# KiCad board Wrap030-ITX.kicad_pcb (continued)
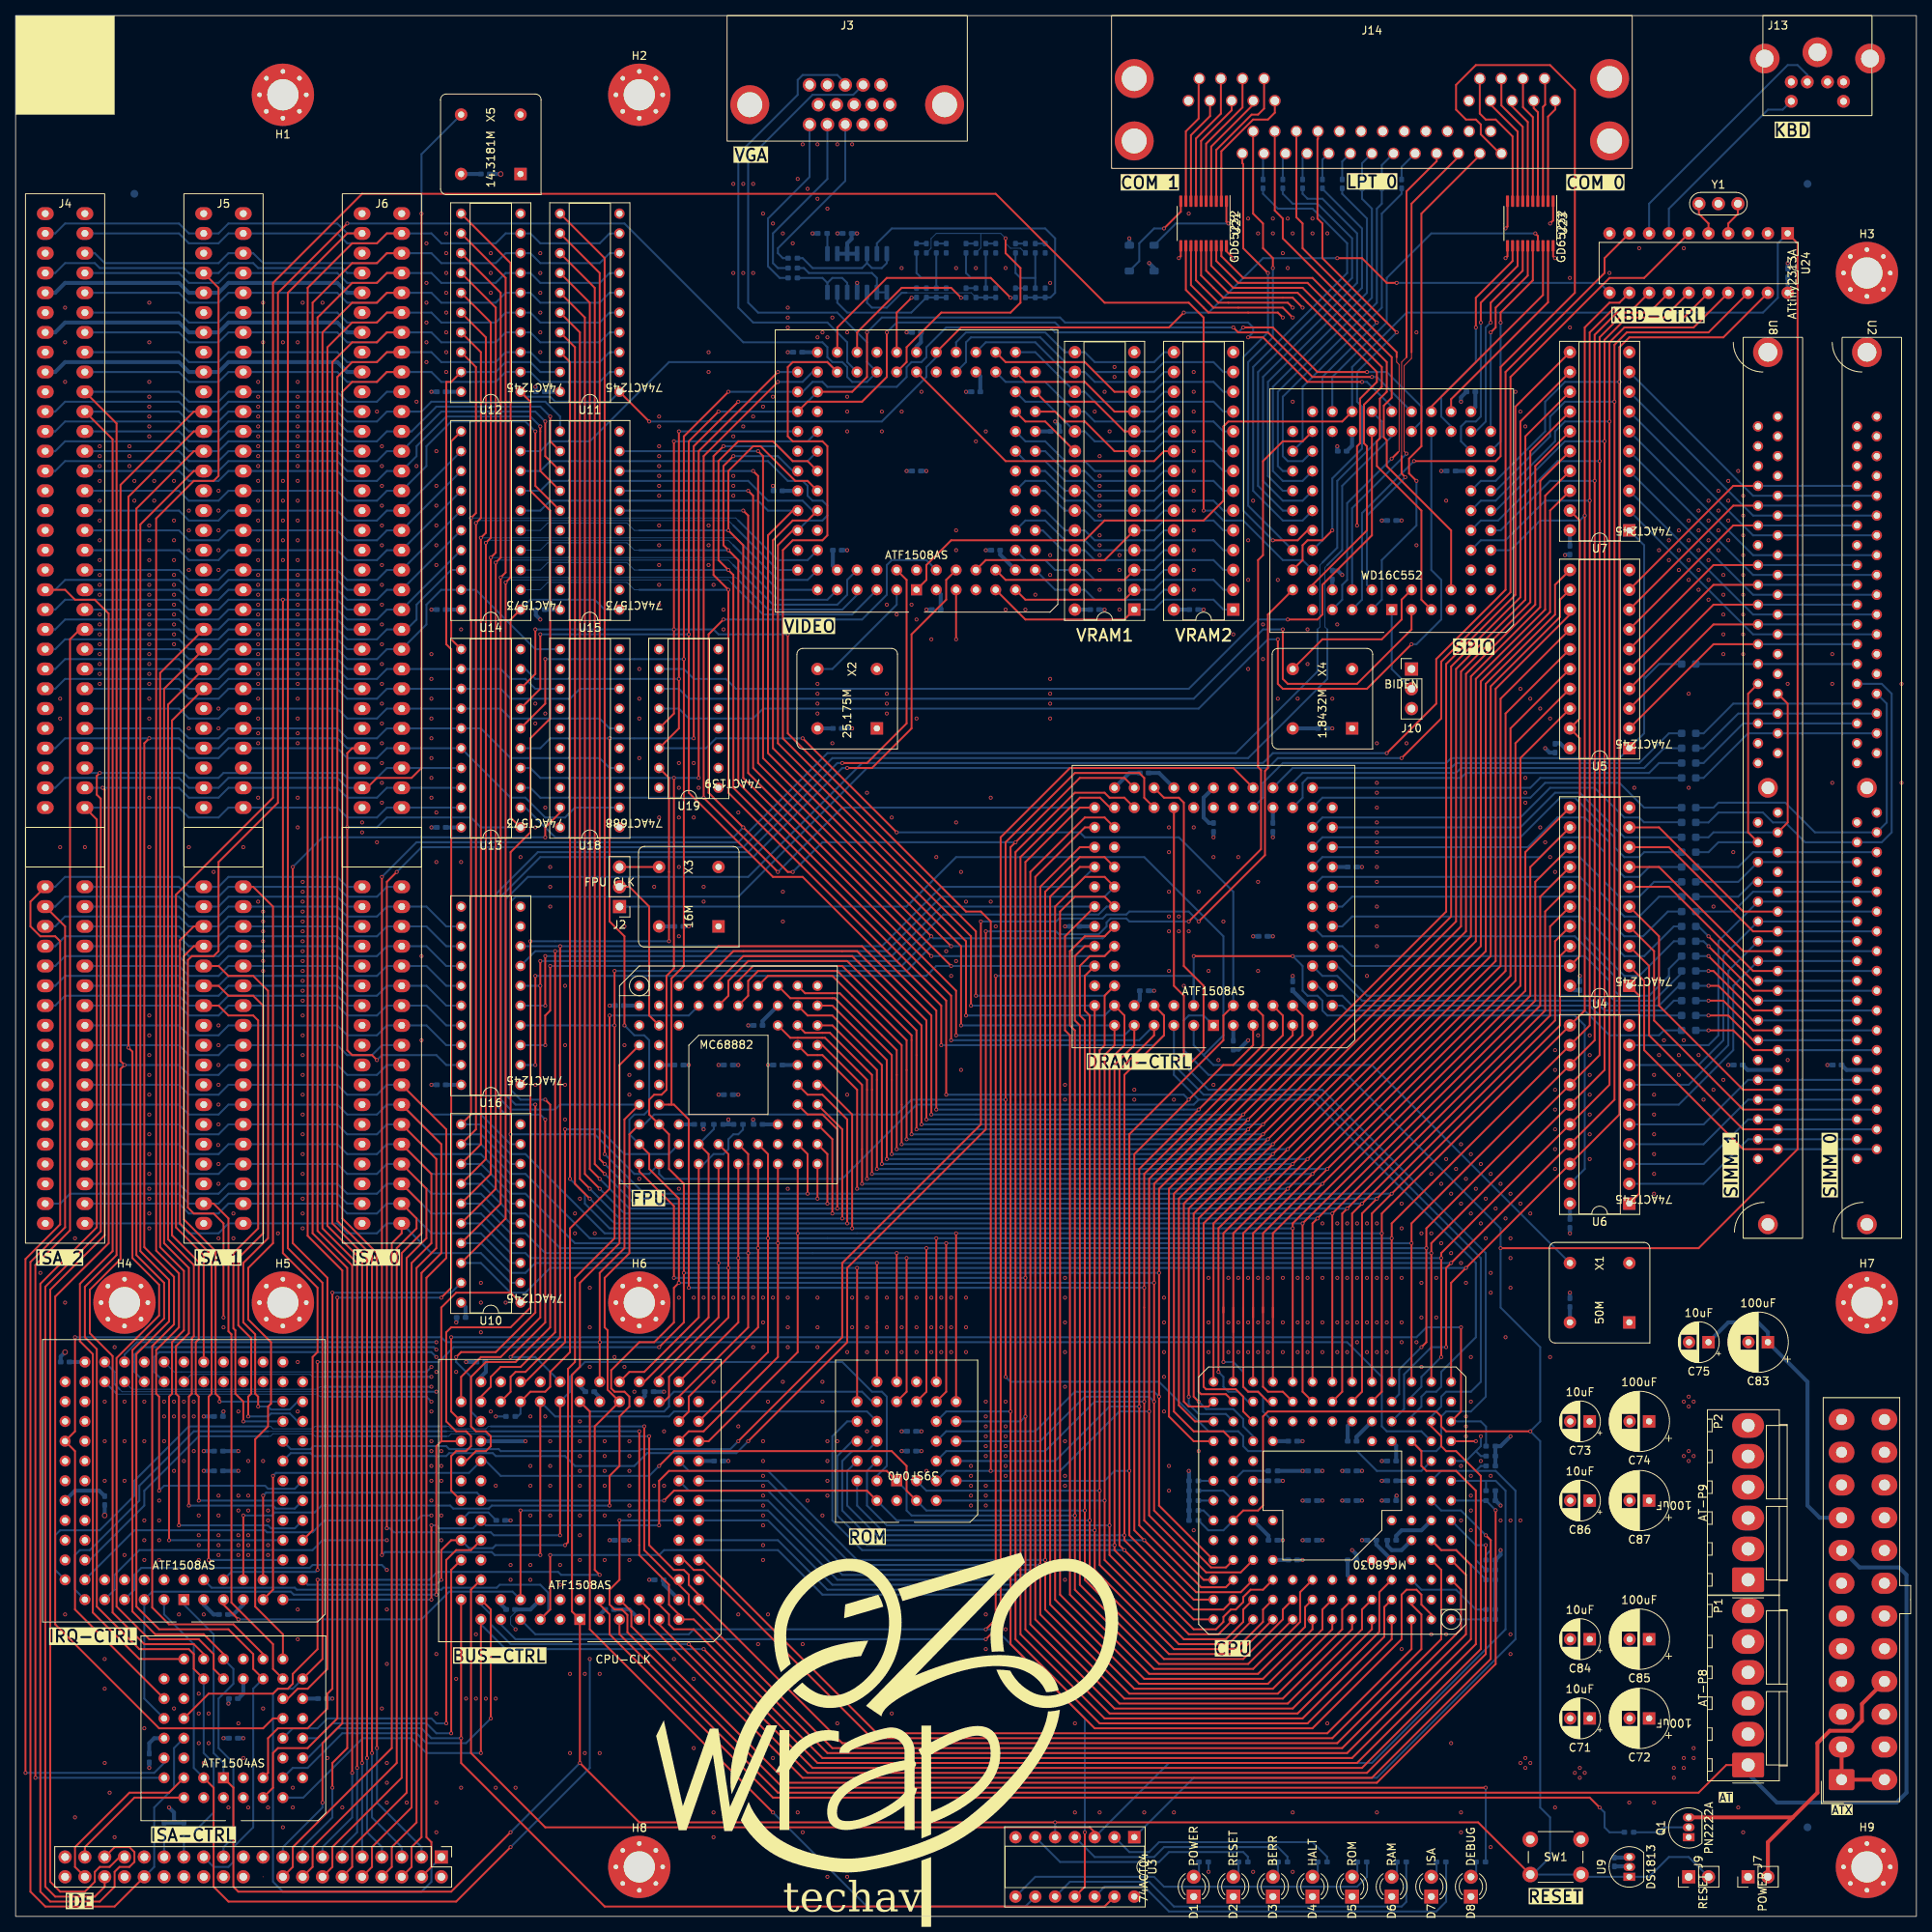
[diagram p0: board, top side]
## Routing (per net, layer and track width the routed paths; a pad name or vN(x,y) marks a point on that pad's centre or on a via; arc(x,y) is an arc through that point) (continued)
  vias: v1(3.17,82.55) v1(5.71,156.21) v1(5.71,153.67) v1(5.71,137.16) v1(6.35,206.38) v1(6.35,201.93) v1(6.35,196.85) v1(6.35,78.74) v1(6.35,38.74) v1(7.62,87) v1(7.62,12.7) v1(8.89,137.16) v1(10.8,188.6) v1(10.8,187.32) v1(10.8,186.06) v1(10.8,184.15) v1(10.8,181.61) v1(10.8,179.07) v1(10.8,176.53) v1(10.8,173.99) v1(10.8,172.09) v1(10.8,170.81) v1(10.8,169.55) v1(10.8,167) v1(10.8,165.74) v1(10.8,164.47) v1(10.8,163.19) v1(10.8,161.93) v1(10.8,160.66) v1(10.8,159.38) v1(10.8,158.12) v1(11.43,66.04) v1(11.43,60.96) v1(11.43,55.88) v1(11.43,33.02) v1(11.43,29.21) v1(11.43,19.69) v1(12.06,15.88) v1(12.7,73.03) v1(12.7,10.16) v1(13.97,66.04) v1(13.97,60.96) v1(13.97,55.88) v1(13.97,46.36) v1(14.6,188.6) v1(14.6,187.32) v1(14.6,186.06) v1(15.24,184.15) v1(15.24,181.61) v1(16.51,66.04) v1(16.51,60.96) v1(16.51,50.8) v1(16.51,48.26) v1(16.51,45.72) v1(16.51,24.13) v1(17.14,207.01) v1(17.14,201.93) v1(17.14,196.85) v1(17.14,194.94) v1(17.14,193.68) v1(17.14,192.41) v1(17.14,191.13) v1(17.14,189.87) v1(17.14,178.44) v1(17.14,176.53) v1(17.14,173.99) v1(17.14,172.09) v1(17.14,170.81) v1(17.14,169.55) v1(17.14,168.28) v1(17.14,167) v1(17.14,165.74) v1(17.14,164.47) v1(17.14,163.19) v1(17.14,161.93) v1(17.14,160.66) v1(17.14,159.38) v1(17.14,158.12) v1(17.14,156.21) v1(17.14,153.67) v1(17.14,143.51) v1(17.14,137.16) v1(17.14,115.57) v1(17.14,113.03) v1(17.14,110.49) v1(17.14,107.95) v1(17.14,105.41) v1(17.14,102.87) v1(17.14,100.33) v1(17.14,97.79) v1(17.14,95.25) v1(17.14,93.34) v1(17.14,92.08) v1(17.14,90.17) v1(17.14,88.27) v1(17.78,184.15) v1(17.78,181.61) v1(18.41,53.34) v1(18.41,50.8) v1(18.41,48.26) v1(18.41,45.72) v1(19.05,66.04) v1(19.05,64.14) v1(19.05,60.96) v1(20.32,184.15) v1(20.32,179.07) v1(20.32,176.53) v1(20.32,173.99) v1(20.32,172.09) v1(20.32,170.81) v1(20.32,169.55) v1(20.32,168.28) v1(20.32,167) v1(20.32,165.74) v1(20.32,164.47) v1(20.32,163.19) v1(20.32,66.04) v1(20.32,64.14) v1(20.32,57.15) v1(20.32,26.67) v1(20.95,38.74) v1(21.59,66.04) v1(21.59,64.14) v1(21.59,58.42) v1(22.23,180.34) v1(22.23,177.8) v1(22.23,175.26) v1(22.23,172.72) v1(22.23,152.4) v1(22.23,137.16) v1(22.86,66.04) v1(22.86,64.14) v1(22.86,59.69) v1(23.49,51.44) v1(23.49,48.9) v1(23.49,47.62) v1(23.49,45.72) v1(23.49,28.58) v1(23.49,26.03) v1(23.49,22.22) v1(24.13,38.74) v1(24.13,19.69) v1(24.77,26.03) v1(24.77,22.22) v1(25.4,133.99) v1(26.03,182.88) v1(26.03,180.34) v1(26.03,177.8) v1(26.03,175.26) v1(26.03,172.72) v1(26.03,154.94) v1(26.03,152.4) v1(26.03,114.3) v1(26.03,111.76) v1(26.03,109.22) v1(26.03,106.68) v1(26.03,104.14) v1(26.03,101.6) v1(25.99,98.96) v1(26.03,96.52) v1(26.03,93.98) v1(26.03,87) v1(26.03,53.97) v1(26.03,51.44) v1(26.03,48.9) v1(26.03,47.62) v1(26.03,46.36) v1(26.67,75.56) v1(27.3,13.97) v1(27.94,90.17) v1(27.94,87) v1(28.57,64.77) v1(28.57,53.97) v1(28.57,52.07) v1(28.57,48.9) v1(28.57,47.62) v1(28.57,46.36) v1(28.57,24.77) v1(29.21,137.16) v1(29.21,20.32) v1(29.84,58.42) v1(29.84,53.97) v1(29.84,52.07) v1(29.84,48.9) v1(29.84,47.62) v1(29.84,46.36) v1(29.84,13.97) v1(31.12,196.85) v1(31.12,194.94) v1(31.12,193.68) v1(31.12,192.41) v1(31.12,191.13) v1(31.12,189.87) v1(31.12,188.6) v1(31.12,187.32) v1(31.12,186.06) v1(31.12,184.15) v1(31.12,181.61) v1(31.12,179.07) v1(31.12,176.53) v1(31.12,173.99) v1(31.12,172.09) v1(31.12,170.81) v1(31.12,169.55) v1(31.12,168.28) v1(31.12,167) v1(31.12,165.74) v1(31.12,164.47) v1(31.12,163.19) v1(31.12,161.93) v1(31.12,160.66) v1(31.12,159.38) v1(31.12,158.12) v1(31.12,156.21) v1(31.12,153.67) v1(31.12,151.76) v1(31.12,150.5) v1(31.12,143.51) v1(31.12,130.18) v1(31.75,207.01) v1(31.75,201.93) v1(31.75,128.91) v1(31.75,127.64) v1(31.75,126.37) v1(31.75,125.09) v1(31.75,123.83) v1(31.75,122.56) v1(31.75,121.28) v1(31.75,58.42) v1(31.75,26.67) v1(32.38,52.07) v1(32.38,50.8) v1(32.38,47.62) v1(32.38,46.36) v1(32.38,13.97) v1(33.66,87.63) v1(34.29,201.93) v1(34.29,184.15) v1(34.29,181.61) v1(34.29,179.07) v1(34.29,176.53) v1(34.29,173.99) v1(34.29,11.43) v1(35.56,16.51) v1(35.56,13.97) v1(36.2,201.93) v1(36.2,196.85) v1(36.2,194.94) v1(36.2,193.68) v1(36.2,192.41) v1(36.2,191.13) v1(36.2,189.87) v1(36.2,188.6) v1(36.2,187.32) v1(36.2,186.06) v1(36.2,184.15) v1(36.2,181.61) v1(36.2,179.07) v1(36.2,176.53) v1(36.2,173.99) v1(36.2,172.09) v1(36.2,170.81) v1(36.2,169.55) v1(36.2,168.28) v1(36.2,167) v1(36.2,165.74) v1(36.2,164.47) v1(36.2,163.19) v1(36.2,161.93) v1(36.2,160.66) v1(36.2,159.38) v1(36.2,158.12) v1(36.2,156.21) v1(36.2,153.67) v1(36.2,151.76) v1(36.2,150.5) v1(36.2,143.51) v1(36.2,139.7) v1(36.2,71.12) v1(36.2,64.77) v1(36.2,39.37) v1(36.2,35.56) v1(36.83,207.01) v1(36.83,132.72) v1(36.83,131.44) v1(36.83,130.18) v1(36.83,128.91) v1(36.83,127.64) v1(36.83,126.37) v1(36.83,125.09) v1(36.83,123.83) v1(36.83,122.56) v1(36.83,121.28) v1(36.83,120.02) v1(36.83,118.75) v1(36.83,117.47) v1(36.83,115.57) v1(36.83,113.03) v1(36.83,110.49) v1(36.83,107.95) v1(36.83,105.41) v1(36.83,102.87) v1(36.83,100.33) v1(36.83,97.79) v1(36.83,95.25) v1(36.83,92.08) v1(36.83,90.17) v1(36.83,88.27) v1(39.37,207.01) v1(40.01,20.32) v1(41.91,13.97) v1(44.45,140.34) v1(44.45,139.06) v1(46.35,193.04) v1(46.35,137.8) v1(46.99,188.6) v1(46.99,186.06) v1(46.99,183.51) v1(46.99,180.98) v1(46.99,178.44) v1(46.99,175.9) v1(46.99,173.36) v1(46.99,170.81) v1(46.99,168.28) v1(46.99,165.74) v1(46.99,163.19) v1(46.99,160.66) v1(46.99,158.12) v1(46.99,155.57) v1(46.99,153.04) v1(46.99,150.5) v1(46.99,147.96) v1(46.99,145.42) v1(46.99,142.88) v1(46.99,26.67) v1(47.62,39.37) v1(47.62,32.39) v1(47.62,19.69) v1(47.62,17.15) v1(47.62,14.61) v1(50.16,14.61) v1(51.43,194.31) v1(51.43,186.06) v1(52.07,123.19) v1(52.07,112.4) v1(52.71,214.63) v1(52.71,209.55) v1(52.71,207.01) v1(52.71,204.47) v1(52.71,201.93) v1(52.71,199.39) v1(53.34,161.93) v1(53.34,158.75) v1(53.34,156.21) v1(53.34,153.67) v1(53.34,151.13) v1(53.34,148.59) v1(53.34,146.05) v1(53.34,143.51) v1(53.34,64.77) v1(53.34,60.96) v1(53.34,59.69) v1(53.34,57.78) v1(53.34,55.88) v1(53.34,53.34) v1(53.98,187.96) v1(53.98,183.51) v1(53.98,180.98) v1(53.98,178.44) v1(53.98,175.9) v1(53.98,173.36) v1(53.98,141.61) v1(53.98,135.25) v1(53.98,69.85) v1(53.98,33.66) v1(53.98,26.03) v1(53.98,14.61) v1(53.98,10.8) v1(54.61,59.69) v1(54.61,57.78) v1(54.61,55.88) v1(54.61,51.44) v1(54.61,48.26) v1(55.24,215.9) v1(55.24,213.36) v1(55.24,210.82) v1(55.24,208.28) v1(55.24,205.74) v1(55.24,203.2) v1(55.24,200.66) v1(55.24,198.12) v1(56.51,69.85) v1(56.51,30.48) v1(57.15,165.1) v1(57.15,135.25) v1(57.15,16.51) v1(57.79,27.94) v1(59.05,36.19) v1(59.05,27.94) v1(59.69,81.28) v1(59.69,78.74) v1(59.69,74.93) v1(60.32,27.94) v1(60.96,213.36) v1(60.96,210.82) v1(60.96,208.28) v1(60.96,64.77) v1(61.6,55.25) v1(61.6,27.94) v1(61.6,16.51) v1(62.87,78.74) v1(63.5,45.09) v1(63.5,43.18) v1(64.13,16.51) v1(64.77,135.89) v1(66.04,64.14) v1(66.04,57.78) v1(66.04,55.25) v1(66.04,51.44) v1(66.04,45.09) v1(66.04,43.18) v1(66.68,155.57) v1(66.68,153.04) v1(66.68,139.7) v1(66.68,106.68) v1(67.31,213.36) v1(67.31,210.82) v1(67.31,208.28) v1(67.31,205.74) v1(67.31,203.2) v1(67.31,200.66) v1(67.94,154.31) v1(67.94,142.24) v1(67.94,64.14) v1(68.58,134.62) v1(68.58,132.08) v1(68.58,129.54) v1(68.58,60.96) v1(68.58,57.78) v1(68.58,55.25) v1(68.58,51.44) v1(69.85,45.09) v1(69.85,42.55) v1(70.48,119.38) v1(70.48,111.76) v1(70.48,106.68) v1(70.48,102.24) v1(71.12,31.12) v1(71.12,20.96) v1(71.75,90.17) v1(71.75,87.63) v1(72.39,92.08) v1(72.39,63.5) v1(72.39,60.96) v1(72.39,59.06) v1(72.39,57.15) v1(72.39,55.25) v1(72.39,51.44) v1(72.39,48.9) v1(72.39,45.72) v1(72.39,42.55) v1(73.03,31.12) v1(73.03,20.96) v1(73.66,80.65) v1(73.66,75.56) v1(73.66,70.49) v1(74.29,87.63) v1(74.93,31.12) v1(74.93,20.96) v1(75.56,60.96) v1(75.56,59.06) v1(75.56,57.15) v1(75.56,55.25) v1(75.56,51.44) v1(75.56,45.72) v1(76.84,71.75) v1(78.1,127) v1(78.1,111.76) v1(78.1,70.49) v1(78.74,107.95) v1(78.74,105.41) v1(78.74,60.96) v1(78.74,59.06) v1(78.74,57.15) v1(78.74,55.25) v1(78.74,52.71) v1(78.74,51.44) v1(78.74,45.72) v1(79.38,67.31) v1(80.01,160.02) v1(80.01,156.21) v1(80.01,153.67) v1(80.01,148.59) v1(80.01,94.62) v1(81.91,132.08) v1(81.91,55.25) v1(82.55,192.41) v1(82.55,191.13) v1(82.55,188.6) v1(82.55,187.32) v1(82.55,186.06) v1(82.55,184.79) v1(82.55,183.51) v1(82.55,182.25) v1(82.55,178.44) v1(82.55,175.9) v1(82.55,173.36) v1(82.55,170.81) v1(82.55,168.28) v1(82.55,140.97) v1(83.19,62.23) v1(83.19,55.25) v1(84.46,33.02) v1(85.09,147.96) v1(85.09,144.78) v1(85.09,140.97) v1(85.09,134.62) v1(85.09,125.73) v1(85.09,93.34) v1(85.09,79.38) v1(87,147.96) v1(87,140.97) v1(87,79.38) v1(87,30.48) v1(87,21.59) v1(87.63,144.78) v1(88.26,132.08) v1(88.26,130.18) v1(88.26,79.38) v1(88.9,200.66) v1(88.9,198.12) v1(88.9,178.44) v1(88.9,175.9) v1(88.9,173.36) v1(89.53,170.81) v1(89.53,79.38) v1(89.53,68.58) v1(89.53,13.34) v1(89.53,10.16) v1(90.81,167.64) v1(90.81,165.1) v1(90.81,79.38) v1(92.07,222.25) v1(92.07,210.82) v1(92.07,189.87) v1(92.07,184.79) v1(92.07,183.51) v1(92.07,182.25) v1(92.07,79.38) v1(92.71,141.61) v1(92.71,62.87) v1(92.71,38.74) v1(93.34,222.25) v1(93.34,210.82) v1(93.34,191.13) v1(93.34,79.38) v1(94.62,222.25) v1(94.62,210.82) v1(94.62,192.41) v1(94.62,79.38) v1(94.62,73.03) v1(95.25,34.93) v1(95.88,218.44) v1(95.88,193.68) v1(95.88,79.38) v1(95.88,76.2) v1(95.88,60.96) v1(95.88,58.42) v1(95.88,56.52) v1(95.88,55.25) v1(95.88,53.97) v1(95.88,52.71) v1(95.88,51.44) v1(95.88,50.17) v1(95.88,47.62) v1(95.88,45.72) v1(96.52,66.04) v1(96.52,38.74) v1(97.16,217.17) v1(97.16,194.94) v1(97.16,79.38) v1(97.16,20.32) v1(98.43,215.9) v1(98.43,131.44) v1(98.43,127.64) v1(98.43,68.58) v1(99.06,206.38) v1(99.06,205.11) v1(99.06,203.84) v1(99.06,93.34) v1(99.06,79.38) v1(99.06,75.56) v1(99.06,73.03) v1(99.69,214.63) v1(100.33,222.88) v1(100.33,13.34) v1(100.97,227.33) v1(100.97,34.93) v1(100.97,10.8) v1(101.6,221.62) v1(101.6,53.34) v1(102.87,227.33) v1(102.87,220.34) v1(102.87,202.56) v1(102.87,158.12) v1(102.87,156.85) v1(102.87,155.57) v1(102.87,154.31) v1(102.87,79.38) v1(102.87,75.56) v1(102.87,73.03) v1(103.5,203.2) v1(103.5,68.58) v1(103.5,66.04) v1(103.5,51.44) v1(104.14,219.08) v1(104.14,202.56) v1(104.14,60.96) v1(104.14,58.42) v1(104.14,55.88) v1(104.14,53.97) v1(104.14,5.08) v1(104.78,205.11) v1(104.78,150.5) v1(105.41,227.33) v1(105.41,60.96) v1(105.41,24.77) v1(106.68,203.2) v1(106.68,194.94) v1(106.68,193.04) v1(106.68,190.5) v1(106.68,105.41) v1(106.68,72.39) v1(106.68,5.08) v1(107.31,227.33) v1(107.31,79.38) v1(107.31,75.56) v1(109.22,144.15) v1(109.22,79.38) v1(109.22,75.56) v1(109.22,72.39) v1(109.22,62.23) v1(111.12,193.04) v1(111.12,190.5) v1(111.76,168.28) v1(111.76,156.85) v1(111.76,155.57) v1(111.76,154.31) v1(111.76,79.38) v1(111.76,75.56) v1(111.76,72.39) v1(112.39,140.97) v1(112.39,26.03) v1(113.03,167) v1(113.66,211.46) v1(113.66,193.04) v1(113.66,79.38) v1(113.66,75.56) v1(113.66,72.39) v1(114.94,168.28) v1(115.57,166.37) v1(115.57,153.67) v1(115.57,79.38) v1(115.57,75.56) v1(115.57,72.39) v1(116.2,195.58) v1(116.84,57.15) v1(117.47,163.83) v1(117.47,79.38) v1(117.47,75.56) v1(117.47,72.39) v1(118.11,135.89) v1(118.75,79.38) v1(118.75,75.56) v1(118.75,72.39) v1(119.38,123.83) v1(120.01,120.65) v1(120.01,79.38) v1(120.01,75.56) v1(120.01,72.39) v1(120.65,211.46) v1(120.65,177.8) v1(120.65,175.26) v1(120.65,140.34) v1(120.65,122.56) v1(121.28,133.99) v1(121.28,108.59) v1(121.92,130.18) v1(121.92,79.38) v1(121.92,75.56) v1(121.92,72.39) v1(122.55,57.78) v1(122.55,56.52) v1(122.55,55.25) v1(122.55,53.97) v1(122.55,52.71) v1(123.19,211.46) v1(123.19,189.23) v1(124.46,190.5) v1(124.46,66.04) v1(124.46,64.14) v1(124.46,62.87) v1(124.46,61.59) v1(124.46,60.33) v1(124.46,59.06) v1(124.46,55.25) v1(124.46,53.97) v1(124.46,52.71) v1(124.46,38.74) v1(124.46,34.29) v1(125.09,143.51) v1(125.09,130.18) v1(125.73,127) v1(127,211.46) v1(127,167.64) v1(127,66.04) v1(127,62.87) v1(127,61.59) v1(127,60.33) v1(127,59.06) v1(127,57.78) v1(127,56.52) v1(127,36.83) v1(129.54,167.64) v1(130.81,169.55) v1(132.72,209.55) v1(132.72,174.62) v1(132.72,172.09) v1(132.72,158.75) v1(132.72,156.85) v1(132.72,155.57) v1(132.72,153.67) v1(134.62,106.68) v1(134.62,104.78) v1(134.62,81.92) v1(134.62,79.38) v1(134.62,76.2) v1(134.62,72.39) v1(134.62,67.94) v1(134.62,60.96) v1(134.62,56.52) v1(134.62,55.25) v1(134.62,43.18) v1(135.89,24.77) v1(135.89,13.34) v1(138.43,193.04) v1(139.06,187.32) v1(139.06,184.79) v1(139.06,183.51) v1(139.06,182.25) v1(139.06,180.98) v1(139.06,179.71) v1(139.06,177.17) v1(139.06,175.9) v1(139.06,174.62) v1(139.06,172.72) v1(139.06,170.18) v1(139.06,13.34) v1(139.7,195.58) v1(140.33,190.5) v1(140.97,198.75) v1(140.97,197.49) v1(141.6,174.62) v1(141.6,172.72) v1(141.6,170.18) v1(141.6,167.64) v1(143.51,106.05) v1(143.51,104.78) v1(144.78,13.34) v1(147.32,79.38) v1(147.32,76.2) v1(147.32,72.39) v1(147.32,69.22) v1(147.32,64.77) v1(147.95,139.7) v1(147.95,136.53) v1(147.95,131.44) v1(147.95,128.27) v1(147.95,126.37) v1(147.95,121.28) v1(147.95,57.78) v1(147.95,54.61) v1(148.59,104.78) v1(148.59,13.34) v1(149.22,128.27) v1(149.22,126.37) v1(149.86,119.38) v1(150.5,218.44) v1(150.5,126.37) v1(151.13,198.12) v1(151.13,195.58) v1(151.13,193.04) v1(151.13,190.5) v1(151.13,187.96) v1(151.13,185.42) v1(151.13,182.88) v1(151.13,180.34) v1(151.13,177.8) v1(151.13,175.26) v1(151.13,172.72) v1(151.13,170.18) v1(151.13,139.7) v1(151.13,49.53) v1(151.76,131.44) v1(151.76,59.69) v1(153.03,121.28) v1(153.03,81.92) v1(153.03,76.2) v1(153.03,72.39) v1(153.67,135.89) v1(153.67,106.68) v1(154.3,109.86) v1(154.94,127.64) v1(155.57,81.92) v1(155.57,76.2) v1(155.57,72.39) v1(156.21,164.47) v1(156.84,135.89) v1(156.84,81.92) v1(156.84,76.2) v1(156.84,72.39) v1(158.11,217.81) v1(158.11,176.53) v1(158.11,171.45) v1(158.11,160.02) v1(158.11,81.92) v1(158.11,76.2) v1(158.11,72.39) v1(158.75,181.61) v1(158.75,5.72) v1(159.38,215.9) v1(159.38,132.72) v1(159.38,121.28) v1(159.38,113.03) v1(159.38,81.92) v1(159.38,76.2) v1(159.38,72.39) v1(160.02,165.74) v1(160.02,161.29) v1(160.66,81.92) v1(160.66,76.2) v1(160.66,72.39) v1(161.29,217.81) v1(161.29,215.9) v1(161.92,171.45) v1(161.92,156.21) v1(162.56,213.36) v1(162.56,81.92) v1(162.56,76.2) v1(162.56,72.39) v1(163.19,217.81) v1(163.19,211.46) v1(163.83,215.9) v1(163.83,194.31) v1(163.83,13.34) v1(163.83,5.72) v1(164.47,156.21) v1(164.47,81.92) v1(164.47,76.2) v1(164.47,72.39) v1(165.73,165.1) v1(165.73,160.66) v1(165.73,81.92) v1(165.73,76.2) v1(165.73,72.39) v1(166.37,217.81) v1(166.37,215.9) v1(167.64,88.9) v1(167.64,81.92) v1(167.64,76.2) v1(167.64,72.39) v1(168.28,215.9) v1(168.28,24.77) v1(168.91,156.21) v1(169.54,165.74) v1(169.54,88.9) v1(169.54,81.92) v1(169.54,76.2) v1(169.54,72.39) v1(170.81,88.9) v1(170.81,81.92) v1(170.81,76.2) v1(170.81,72.39) v1(172.08,88.9) v1(172.08,81.92) v1(172.08,76.2) v1(172.08,73.66) v1(173.35,120.65) v1(173.35,88.9) v1(173.35,81.92) v1(173.35,76.2) v1(173.35,72.39) v1(174.62,150.5) v1(174.62,145.42) v1(174.62,144.15) v1(174.62,142.24) v1(174.62,140.34) v1(174.62,139.06) v1(174.62,137.8) v1(174.62,136.53) v1(174.62,134.62) v1(174.62,132.72) v1(174.62,129.54) v1(174.62,127) v1(174.62,124.46) v1(174.62,88.9) v1(174.62,81.92) v1(174.62,76.2) v1(174.62,72.39) v1(174.62,13.34) v1(175.89,81.92) v1(175.89,76.2) v1(175.89,72.39) v1(177.8,91.44) v1(177.8,88.27) v1(177.8,81.92) v1(177.8,76.2) v1(177.8,73.66) v1(177.8,34.29) v1(178.44,150.5) v1(179.7,203.2) v1(179.7,175.9) v1(179.7,73.66) v1(180.34,87.63) v1(180.34,81.28) v1(180.34,76.84) v1(180.34,70.49) v1(181.61,95.25) v1(181.61,87.63) v1(181.61,36.19) v1(182.25,81.92) v1(182.25,76.84) v1(182.88,93.98) v1(182.88,86.36) v1(183.51,181.61) v1(183.51,97.16) v1(183.51,36.19) v1(184.15,92.71) v1(184.15,85.09) v1(184.15,22.22) v1(184.78,95.89) v1(185.42,99.06) v1(185.42,91.44) v1(185.42,83.82) v1(185.42,57.78) v1(185.42,50.8) v1(185.42,13.34) v1(185.42,10.8) v1(186.05,94.62) v1(186.05,81.28) v1(186.05,64.14) v1(186.05,62.87) v1(186.05,61.59) v1(186.69,97.79) v1(186.69,90.17) v1(186.69,71.75) v1(186.69,66.04) v1(186.69,56.52) v1(186.69,53.97) v1(186.69,52.07) v1(186.69,49.53) v1(187.32,93.34) v1(187.96,96.52) v1(187.96,88.9) v1(187.96,58.42) v1(188.59,92.08) v1(188.59,87) v1(189.23,95.25) v1(189.23,82.55) v1(189.23,80.01) v1(189.23,56.52) v1(189.23,8.89) v1(189.86,90.81) v1(190.5,93.98) v1(190.5,50.8) v1(191.13,89.53) v1(191.13,74.3) v1(191.77,92.71) v1(191.77,87) v1(191.77,84.46) v1(191.77,80.65) v1(191.77,50.8) v1(191.77,36.19) v1(191.77,33.66) v1(192.41,195.58) v1(193.04,193.04) v1(193.04,157.48) v1(193.04,91.44) v1(193.04,50.8) v1(193.67,191.13) v1(193.67,146.05) v1(193.67,144.15) v1(193.67,142.88) v1(194.31,156.21) v1(194.31,90.17) v1(195.58,154.94) v1(195.58,139.7) v1(196.22,137.8) v1(196.85,153.67) v1(196.85,135.89) v1(196.85,71.75) v1(197.48,133.99) v1(197.48,111.12) v1(197.48,108.59) v1(197.48,106.05) v1(197.48,103.5) v1(197.48,100.97) v1(197.48,98.43) v1(197.48,95.89) v1(197.48,13.97) v1(199.39,210.19) v1(199.39,203.84) v1(201.93,113.03) v1(201.93,110.49) v1(201.93,107.95) v1(201.93,105.41) v1(201.93,102.87) v1(201.93,100.33) v1(201.93,97.16) v1(204.47,210.82) v1(207.01,14.61) v1(207.64,144.78) v1(208.28,214) v1(210.19,107.95) v1(210.19,105.41) v1(210.19,102.87) v1(210.19,100.33) v1(210.19,97.79) v1(210.19,95.25) v1(210.19,92.71) v1(210.19,14.61) v1(210.82,175.26) v1(210.82,110.49) v1(211.45,112.4) v1(212.09,176.53) v1(212.09,173.99) v1(213.36,177.8) v1(213.36,175.26) v1(213.36,172.72) v1(213.36,110.49) v1(213.36,107.95) v1(214,214) v1(214,112.4) v1(214.63,179.07) v1(214.63,176.53) v1(214.63,173.99) v1(214.63,171.45) v1(214.63,156.85) v1(214.63,144.78) v1(215.9,180.34) v1(215.9,177.8) v1(215.9,175.26) v1(215.9,172.72) v1(215.9,170.18) v1(215.9,110.49) v1(216.53,104.78) v1(217.17,181.61) v1(217.17,179.07) v1(217.17,176.53) v1(217.17,173.99) v1(217.17,171.45) v1(217.17,168.91) v1(217.8,129.54) v1(217.8,106.05) v1(218.44,182.88) v1(218.44,180.34) v1(218.44,177.8) v1(218.44,175.26) v1(219.07,172.09) v1(219.07,169.55) v1(219.07,167) v1(219.07,164.47) v1(219.07,161.93) v1(219.07,107.31) v1(219.71,184.15) v1(219.71,181.61) v1(219.71,179.07) v1(219.71,176.53) v1(220.34,136.53) v1(220.98,185.42) v1(220.98,13.97) v1(221.61,182.25) v1(221.61,179.71) v1(221.61,177.17) v1(221.61,174.62) v1(221.61,172.09) v1(221.61,169.55) v1(221.61,167) v1(221.61,164.47) v1(221.61,161.93) v1(221.61,10.8) v1(227.33,158.12) v1(227.33,109.86) v1(233.04,161.93) v1(233.04,158.12) v1(233.04,145.42) v1(241.93,158.12) v1(241.93,145.42)
VCC: length 245
  Top w0.254: v1(197.48,212.73) 197.23,212.98 197.23,214.31 ; v1(156.21,212.73) 155.32,213.61 U21.20
  Bottom w0.254: v1(153.03,5.72) 153.03,6.95 R5.1 ; GLUE1.66 58.17,51.82 60.65,51.82 C47.1 ; 62.59,64.14 v1(61.6,64.14)
  Bottom w0.508: U10.20 57.72,78.17 C76.1 ; C111.1 v1(28.57,57.15) ; v1(19.69,13.97) 20.32,13.34 20.32,12.03 ; R27.2 R28.2 R18.2 R17.2 R16.2 150.53,57.11 v1(150.5,57.15) ; C51.1 v1(158.75,125.73) ; U32.66 7.62,54.61 10.73,54.61 C114.1 ; CPU1.L6 170.88,62.93 C3.1 ; U1.B8 95.82,114.87 C38.1 ; C78.1 U11.20 ; VBUF1.2 VBUF1.3 ; VBUF1.3 106.68,214.63 107.25,215.2 C32.1 v1(107.95,215.9) ; VBUF1.3 VBUF1.4 ; R19.2 R20.2 R21.2 R22.2 R23.2 190.5,46.39 v1(190.5,46.99) ; C23.1 126.3,174.69 VGEN1.13 ; C101.1 X4.8 ; 91.44,101.6 R29.2 ; 91.44,101.6 R30.2 ; 91.44,101.6 v1(91.44,102.24) ; C116.1 25.4,38.74 24.13,40 U32.3 ; R25.2 R24.2 189.86,53.34 v1(190.5,52.71) ; C6.1 177.1,48.83 177.8,49.53 180.34,49.53 CPU1.F2 ; v1(191.77,61.59) 190.5,60.33 R14.2 R13.2 R26.2 ; C77.1 U12.20 ; C92.1 v1(177.8,179.07) ; C44.1 62.23,40.07 GLUE1.78 ; U20.27 187.26,193.61 C88.1 ; CPU1.C6 170.88,43.75 C14.1 ; U20.64 C91.1 ; U20.40 171.45,188.66 C89.1 ; C2.1 CPU1.H11 ; C43.1 72.39,68.01 GLUE1.43 ; C80.1 U14.20 ; U17.35 17.78,22.86 17.14,22.22 C68.1 ; C25.1 104.84,173.29 VGEN1.78 ; U32.53 C112.1 ; C49.1 60.32,71.05 60.32,69.85 59.69,69.22 GLUE1.53 ; C57.1 144.21,117.54 RAMC1.78 ; VGEN1.43 115.57,201.36 116.14,201.93 C21.1 ; C16.1 v1(165.1,57.15) R15.2 ; C39.1 U1.E9 ; GLUE1.26 C46.1 ; C9.1 160.72,48.83 CPU1.F11 ; U17.23 29.21,28.58 28.57,27.94 C69.1 ; C59.1 RAMC1.3 ; C61.1 197.55,150.5 198.12,150.5 198.75,149.86 U5.20 ; C52.1 RAMC1.26 ; U6.20 C62.1 ; C27.1 VGEN1.66 ; C11.1 177.1,60.39 CPU1.K4 ; C34.1 U1.E2 ; C22.1 VGEN1.53 ; C35.1 U1.B1 ; C20.1 123.76,197.55 VGEN1.38 ; C55.1 163.83,118.75 165.73,116.84 RAMC1.13 ; C28.1 VRAM1.28 ; VGEN1.3 118.68,169.61 C24.1 ; C26.1 VGEN1.26 ; RAMC1.38 C56.1 ; CPU1.D4 174.56,47.69 C8.1 ; X5.8 C117.1 ; C30.1 X2.8 ; 20.32,12.03 R2.1 ; 20.32,12.03 R1.1 ; C60.1 199.96,118.81 U4.20 ; C50.1 83.12,42.61 GLUE1.13 ; U8.10 222.18,108.59 C65.1 ; RAMC1.43 152.4,143.51 152.4,140.97 153.1,140.27 C58.1 ; v1(26.67,64.77) 26.6,64.7 C115.1 ; C37.1 U1.H8 ; C40.1 v1(92.71,109.22) ; C48.1 74.93,38.67 GLUE1.3 ; C79.1 U13.20 ; C1.1 CPU1.K10 ; C10.1 v1(165.1,48.26) ; C110.1 U24.20 ; C113.1 v1(28.57,59.69) ; C33.1 X3.8 ; C64.1 234.88,108.59 U2.10 ; C42.1 v1(78.74,48.26) ; C18.1 v1(113.66,62.23) ; RAMC1.53 142.88,146.69 C54.1 ; C66.1 206.94,6.42 U9.2 ; C29.1 VRAM2.28 ; C67.1 v1(29.21,22.86) ; C7.1 CPU1.D10 ; C5.1 177.1,53.91 v1(177.16,53.97) ; C63.1 U7.20 ; C53.1 RAMC1.66 ; C4.1 v1(170.18,53.34) ; C19.1 v1(116.84,185.42) ; C36.1 U1.H3 ; GLUE1.38 80.71,66.74 C45.1 ; U17.15 C70.1 ; R79.2 v1(102.23,215.9) ; C41.1 v1(92.71,105.41) ; C90.1 U20.23 ; C82.1 U16.20 ; C12.1 CPU1.H3 ; C13.1 v1(165.1,53.34) ; C15.1 v1(170.18,57.15) ; C31.1 X1.8 ; C17.1 v1(113.66,59.69) ; C81.1 U15.20
  vias: v1(193.04,19.69) v1(193.67,20.32) v1(193.67,19.05) v1(194.31,19.69) v1(200.03,18.42) v1(200.66,19.05) v1(200.66,17.78) v1(201.29,18.42) v1(212.72,19.05) v1(212.72,17.78) v1(214,66.04) v1(214,59.06) v1(214,20.32) v1(214,19.05) v1(214.63,66.68) v1(214.63,65.41) v1(214.63,59.69) v1(214.63,58.42) v1(215.26,66.04) v1(215.26,59.06) v1(215.26,21.59) v1(215.26,20.32)
/Bus-Controller/BERR-LED: length 2.2
  Bottom w0.254: R7.2 161.92,6.95 161.92,5.72 D3.2
/Bus-Controller/BERR-LED-R: length 30
  Bottom w0.254: U3.4 138.43,7.62 146.05,7.62 147.32,8.89 161.92,8.89 163.16,7.66 R7.1
/Bus-Controller/DEBUG-LED: length 2.2
  Bottom w0.254: D8.2 187.36,5.75 R12.2
/Bus-Controller/DEBUG-LED-R: length 151.9
  Top w0.254: v1(188.59,16.51) 98.43,16.51 78.49,36.45 78.49,38.67 77.79,39.37 76.84,39.37 76.2,40 76.2,41.91 77.47,43.18 v1(77.47,50.8)
  Bottom w0.254: v1(188.59,16.51) 188.59,7.02 R12.1 ; v1(77.47,50.8) GLUE1.21
/Bus-Controller/HALT-LED: length 2.2
  Bottom w0.254: D4.2 167.04,5.75 R8.2
/Bus-Controller/HALT-LED-R: length 30
  Bottom w0.254: U3.2 142.88,8.25 145.41,8.25 146.69,9.53 166.37,9.53 168.24,7.66 R8.1
/Bus-Controller/ISA-LED: length 2.2
  Bottom w0.254: D7.2 182.28,5.75 R11.2
/Bus-Controller/ISA-LED-R: length 52.5
  Bottom w0.254: R11.1 183.51,6.95 183.51,1.91 182.25,0.63 147.95,0.63 144.78,3.81 139.7,3.81 U3.12
/Bus-Controller/PWR-LED: length 2.2
  Bottom w0.254: D1.2 151.8,5.75 R5.2
/Bus-Controller/RAM-LED: length 2.2
  Bottom w0.254: D6.2 177.2,5.75 R10.2
/Bus-Controller/RAM-LED-R: length 52.5
  Bottom w0.254: R10.1 178.4,1.87 177.8,1.27 148.59,1.27 145.41,4.44 135.25,4.44 U3.10
/Bus-Controller/RESET-LED: length 2.2
  Bottom w0.254: D2.2 156.88,5.75 R6.2
/Bus-Controller/RESET-LED-R: length 30
  Bottom w0.254: R6.1 158.08,7.66 157.48,8.25 147.95,8.25 146.69,6.99 133.98,6.99 U3.6
/Bus-Controller/ROM-LED: length 2.2
  Bottom w0.254: R9.2 172.12,5.75 D5.2
/Bus-Controller/ROM-LED-R: length 49.1
  Bottom w0.254: R9.1 173.35,6.95 173.35,5.08 172.08,3.81 147.32,3.81 146.05,5.08 130.81,5.08 U3.8
/CPU-FPU/FPU-CLK: length 20.6
  Top w0.254: J2.2 78.74,132.08 81.28,129.54 81.28,115.57 U1.C2
/CPU-FPU/FPU-OSC: length 5.1
  Top w0.254: J2.3 X3.5
/ISA-IDE/ISA-A0: length 214.7
  Top w0.254: J4.62 10.41,140.72 10.41,88.39 3.17,81.15 3.17,3.18 4.45,1.91 10.8,1.91 12.7,3.81 12.7,5.72 13.34,6.35 14.6,6.35 15.24,6.99 15.24,8.25 14.6,8.89 12.7,8.89 IDE0.35
  Bottom w0.254: J4.62 20.95,142.24 22.23,140.97 26.03,140.97 27.3,142.24 J5.62 41.27,142.24 42.54,140.97 46.35,140.97 47.62,142.24 J6.62 U13.19
/ISA-IDE/ISA-A1: length 206.3
  Top w0.254: IDE0.33 13.34,7.62 12.06,6.35 10.8,6.35 10.16,5.72 10.16,4.44 8.89,3.18 5.71,3.18 4.45,4.44 4.45,80.39 11.43,87.38 11.43,144.53 v1(11.18,144.78)
  Bottom w0.254: U13.18 J6.61 47.62,144.78 46.35,143.51 42.54,143.51 41.27,144.78 J5.61 27.3,144.78 26.03,143.51 22.23,143.51 20.95,144.78 v1(11.18,144.78) J4.61
/ISA-IDE/ISA-A2: length 206.5
  Top w0.254: v1(10.8,146.69) 10.41,146.3 10.41,143.89 10.92,143.38 10.92,87.88 3.81,80.77 3.81,3.81 5.08,2.54 10.16,2.54 11.43,3.81 IDE0.36
  Bottom w0.254: U13.17 J6.60 47.62,147.32 46.35,146.05 42.54,146.05 41.91,146.69 29.84,146.69 J5.60 28.57,146.69 26.67,146.69 26.03,146.05 22.23,146.05 21.59,146.69 9.52,146.69 J4.60
/ISA-IDE/ISA-A3: length 74.9
  Bottom w0.254: U18.2 71.75,142.24 70.48,140.97 67.94,140.97 65.41,143.51 63.5,143.51 U13.16 J6.59 47.62,149.86 46.35,148.59 42.54,148.59 41.27,149.86 J5.59 27.3,149.86 26.03,148.59 22.23,148.59 20.95,149.86 J4.59
/ISA-IDE/ISA-A4: length 72.8
  Bottom w0.254: J4.58 20.95,152.4 22.23,151.13 26.03,151.13 27.3,152.4 J5.58 41.27,152.4 42.54,151.13 46.35,151.13 47.62,152.4 J6.58 U13.15 59.69,152.4 63.5,148.59 74.93,148.59 76.2,147.32 U18.4
/ISA-IDE/ISA-A5: length 71.7
  Bottom w0.254: J4.57 20.95,154.94 22.23,153.67 26.03,153.67 27.3,154.94 J5.57 41.27,154.94 42.54,153.67 46.35,153.67 47.62,154.94 J6.57 U13.14 62.23,154.94 63.5,153.67 74.93,153.67 76.2,152.4 U18.6
/ISA-IDE/ISA-A6: length 71.7
  Bottom w0.254: J4.56 20.95,157.48 22.23,156.21 26.03,156.21 27.3,157.48 J5.56 41.27,157.48 42.54,156.21 46.35,156.21 47.62,157.48 J6.56 U13.13 62.23,157.48 63.5,156.21 71.12,156.21 72.39,157.48 U18.8
/ISA-IDE/ISA-A7: length 64.1
  Bottom w0.254: U18.13 66.68,157.48 65.41,158.75 63.5,158.75 62.23,160.02 U13.12 J6.55 47.62,160.02 46.35,158.75 42.54,158.75 41.27,160.02 J5.55 27.3,160.02 26.03,158.75 22.23,158.75 20.95,160.02 J4.55
/ISA-IDE/ISA-A8: length 70.9
  Bottom w0.254: U18.11 66.68,162.56 59.05,170.18 U14.19 54.61,170.18 52.71,168.28 52.71,165.74 J6.54 47.62,162.56 46.35,161.29 42.54,161.29 41.27,162.56 J5.54 27.3,162.56 26.03,161.29 22.23,161.29 20.95,162.56 J4.54
/ISA-IDE/ISA-A9: length 221.5
  Top w0.254: v1(2.54,17.78) 2.54,83.57 6.98,88.01 6.98,163.83 8.26,165.1 J4.53
  Bottom w0.254: U14.18 55.88,172.72 51.43,168.28 51.43,166.37 50.16,165.1 J6.53 47.62,165.1 46.35,163.83 42.54,163.83 41.27,165.1 J5.53 27.3,165.1 26.03,163.83 22.23,163.83 20.95,165.1 J4.53 ; v1(2.54,17.78) U17.39
/ISA-IDE/ISA-A10: length 53.5
  Bottom w0.254: U14.17 J6.52 47.62,167.64 46.35,166.37 42.54,166.37 41.27,167.64 J5.52 27.3,167.64 26.03,166.37 22.23,166.37 20.95,167.64 J4.52
/ISA-IDE/ISA-A11: length 53.5
  Bottom w0.254: U14.16 J6.51 47.62,170.18 46.35,168.91 42.54,168.91 41.27,170.18 J5.51 27.3,170.18 26.03,168.91 22.23,168.91 20.95,170.18 J4.51
/ISA-IDE/ISA-A12: length 53.5
  Bottom w0.254: U14.15 J6.50 47.62,172.72 46.35,171.45 42.54,171.45 41.27,172.72 J5.50 27.3,172.72 26.03,171.45 22.23,171.45 20.95,172.72 J4.50
/ISA-IDE/ISA-A13: length 53.5
  Bottom w0.254: U14.14 J6.49 47.62,175.26 46.35,173.99 42.54,173.99 41.27,175.26 J5.49 27.3,175.26 26.03,173.99 22.23,173.99 20.95,175.26 J4.49
/ISA-IDE/ISA-A14: length 53.5
  Bottom w0.254: J4.48 20.95,177.8 22.23,176.53 26.03,176.53 27.3,177.8 J5.48 41.27,177.8 42.54,176.53 46.35,176.53 47.62,177.8 J6.48 U14.13
/ISA-IDE/ISA-A15: length 53.5
  Bottom w0.254: J4.47 20.95,180.34 22.23,179.07 26.03,179.07 27.3,180.34 J5.47 41.27,180.34 42.54,179.07 46.35,179.07 47.62,180.34 J6.47 U14.12
/ISA-IDE/ISA-A16: length 77.1
  Top w0.254: v1(66.68,190.5) 66.68,183.51 U15.15
  Bottom w0.254: v1(66.68,190.5) 65.41,191.77 55.88,191.77 52.71,188.6 52.71,186.06 J6.46 47.62,182.88 46.35,181.61 42.54,181.61 41.27,182.88 J5.46 27.3,182.88 26.03,181.61 22.23,181.61 20.95,182.88 J4.46
/ISA-IDE/ISA-A17: length 74
  Top w0.254: v1(67.31,191.13) 67.31,185.42 U15.14
  Bottom w0.254: v1(67.31,191.13) 66.04,192.41 55.24,192.41 51.43,188.6 51.43,187.32 J6.45 47.62,185.42 46.35,184.15 42.54,184.15 41.27,185.42 J5.45 27.3,185.42 26.03,184.15 22.23,184.15 20.95,185.42 J4.45
/ISA-IDE/ISA-A18: length 70.9
  Top w0.254: U15.13 67.94,187.32 v1(67.94,191.77)
  Bottom w0.254: J4.44 20.95,187.96 22.23,186.69 26.03,186.69 27.3,187.96 J5.44 41.27,187.96 42.54,186.69 46.35,186.69 47.62,187.96 J6.44 54.61,193.04 66.68,193.04 v1(67.94,191.77)
/ISA-IDE/ISA-A19: length 68.6
  Top w0.254: v1(68.58,192.41) 68.58,189.23 U15.12
  Bottom w0.254: J4.43 20.95,190.5 22.23,189.23 26.03,189.23 27.3,190.5 J5.43 41.27,190.5 42.54,189.23 46.35,189.23 47.62,190.5 J6.43 50.8,190.5 53.98,193.68 67.31,193.68 v1(68.58,192.41)
/ISA-IDE/ISA-AEN: length 296.8
  Top w0.254: J6.28 43.18,149.86 42.54,149.23 v1(42.54,139.7) 42.54,111.12 43.18,110.49 45.72,110.49 v1(46.35,109.86) ; U14.1 63.5,166.37 63.5,140.97 U13.1 ; U17.20 31.75,33.66 27.94,37.47 19.69,37.47 17.53,39.62 17.53,73.15 20.32,75.95 20.32,82.04 16.51,85.85 16.51,150.5 v1(17.14,151.13)
  Bottom w0.254: U16.19 55.24,109.22 53.98,110.49 46.99,110.49 v1(46.35,109.86) ; J6.28 42.54,149.86 41.27,151.13 27.3,151.13 26.03,149.86 J5.28 22.23,149.86 20.95,151.13 v1(17.14,151.13) 6.35,151.13 5.08,149.86 J4.28 ; U15.1 75.56,167.64 74.29,168.91 66.04,168.91 U14.1 ; v1(42.54,139.7) 46.35,139.7 47.62,140.97 58.42,140.97 59.69,139.7 U13.1
/ISA-IDE/ISA-ALE: length 276
  Top w0.254: J4.42 12.45,189.48 12.45,85.34 8.26,81.15 8.26,73.79 9.91,72.14 9.91,38.99 15.88,33.02 U17.28 ; U14.11 55.88,189.23 55.88,163.83 U13.11
  In1.Cu w0.254: J6.42 54.61,193.04 U14.11
  Bottom w0.254: J4.42 20.95,193.04 22.23,191.77 26.03,191.77 27.3,193.04 J5.42 41.27,193.04 42.54,191.77 46.35,191.77 47.62,193.04 J6.42 52.07,193.04 53.34,194.31 67.94,194.31 69.85,192.41 U15.11
/ISA-IDE/ISA-CLK: length 219.9
  Top w0.254: J4.20 6.35,170.18 7.62,168.91 10.16,168.91 11.94,167.13 11.94,86.36 5.08,79.5 5.08,37.47 18.41,24.13 31.75,24.13 33.02,25.4 U17.14
  Bottom w0.254: J4.20 5.08,170.18 6.35,171.45 20.95,171.45 22.23,170.18 J5.20 26.03,170.18 27.3,171.45 41.27,171.45 42.54,170.18 J6.20
/ISA-IDE/ISA-D0: length 273.6
  Top w0.254: J6.40 47.62,198.12 46.35,196.85 43.18,196.85 41.91,195.58 41.91,89.53 46.35,85.09 v1(46.35,21.59)
  Bottom w0.254: IDE0.3 52.07,8.89 46.35,14.61 v1(46.35,21.59) ; J4.40 20.95,198.12 22.23,196.85 26.03,196.85 27.3,198.12 J5.40 41.27,198.12 42.54,196.85 46.35,196.85 47.62,198.12 J6.40 53.34,198.12 54.61,196.85 61.6,196.85 62.87,198.12 U12.2 66.04,198.12 67.31,196.85 74.93,196.85 76.2,198.12 U11.2
/ISA-IDE/ISA-D1: length 275.6
  Top w0.254: v1(45.72,20.96) 45.72,84.77 41.27,89.22 41.27,197.49 43.18,199.39 46.35,199.39 47.62,200.66 J6.39
  Bottom w0.254: IDE0.5 49.53,8.89 45.72,12.7 v1(45.72,20.96) ; J4.39 20.95,200.66 22.23,199.39 26.03,199.39 27.3,200.66 J5.39 41.27,200.66 42.54,199.39 46.35,199.39 47.62,200.66 J6.39 53.34,200.66 54.61,199.39 61.6,199.39 62.87,200.66 U12.3 66.04,200.66 67.31,199.39 74.93,199.39 76.2,200.66 U11.3
/ISA-IDE/ISA-D2: length 277.7
  Top w0.254: v1(45.09,20.32) 45.09,84.46 40.64,88.9 40.64,199.39 43.18,201.93 46.35,201.93 47.62,203.2 J6.38
  Bottom w0.254: IDE0.7 46.99,8.89 45.09,10.8 v1(45.09,20.32) ; J4.38 20.95,203.2 22.23,201.93 26.03,201.93 27.3,203.2 J5.38 41.27,203.2 42.54,201.93 46.35,201.93 47.62,203.2 J6.38 53.34,203.2 54.61,201.93 61.6,201.93 62.87,203.2 U12.4 66.04,203.2 67.31,201.93 74.93,201.93 76.2,203.2 U11.4
/ISA-IDE/ISA-D3: length 279.7
  Top w0.254: J6.37 47.62,205.74 46.35,204.47 43.18,204.47 40.01,201.3 40.01,88.58 44.45,84.14 v1(44.45,19.69)
  Bottom w0.254: v1(44.45,19.69) IDE0.9 ; J4.37 20.95,205.74 22.23,204.47 26.03,204.47 27.3,205.74 J5.37 41.27,205.74 42.54,204.47 46.35,204.47 47.62,205.74 J6.37 53.34,205.74 54.61,204.47 61.6,204.47 62.87,205.74 U12.5 66.04,205.74 67.31,204.47 74.93,204.47 76.2,205.74 U11.5
/ISA-IDE/ISA-D4: length 283.3
  Top w0.254: v1(43.82,19.05) 43.82,83.82 39.37,88.27 39.37,203.2 43.18,207.01 46.35,207.01 47.62,208.28 J6.36
  Bottom w0.254: IDE0.11 41.91,8.89 43.82,10.8 v1(43.82,19.05) ; U11.6 76.2,208.28 74.93,207.01 67.31,207.01 66.04,208.28 U12.6 62.87,208.28 61.6,207.01 54.61,207.01 53.34,208.28 J6.36 47.62,208.28 46.35,207.01 42.54,207.01 41.27,208.28 J5.36 27.3,208.28 26.03,207.01 22.23,207.01 20.95,208.28 J4.36
/ISA-IDE/ISA-D5: length 286.9
  Top w0.254: J6.35 47.62,210.82 46.35,209.55 43.18,209.55 38.73,205.11 38.73,87.95 43.18,83.5 v1(43.18,18.42)
  Bottom w0.254: U11.7 76.2,210.82 74.93,209.55 67.31,209.55 66.04,210.82 U12.7 62.87,210.82 61.6,209.55 54.61,209.55 53.34,210.82 J6.35 47.62,210.82 46.35,209.55 42.54,209.55 41.27,210.82 J5.35 27.3,210.82 26.03,209.55 22.23,209.55 20.95,210.82 J4.35 ; v1(43.18,18.42) 43.18,12.7 39.37,8.89 IDE0.13
/ISA-IDE/ISA-D6: length 290.4
  Top w0.254: v1(40.64,16.51) 40.64,19.69 42.54,21.59 42.54,83.19 38.1,87.63 38.1,207.01 43.18,212.09 46.35,212.09 47.62,213.36 J6.34
  Bottom w0.254: v1(40.64,16.51) 40.64,12.7 36.83,8.89 IDE0.15 ; J4.34 10.16,213.36 11.43,212.09 26.03,212.09 27.3,213.36 J5.34 30.48,213.36 31.75,212.09 46.35,212.09 47.62,213.36 J6.34 53.34,213.36 54.61,212.09 61.6,212.09 62.87,213.36 U12.8 66.04,213.36 67.31,212.09 74.93,212.09 76.2,213.36 U11.8
/ISA-IDE/ISA-D7: length 294
  Top w0.254: J6.33 47.62,215.9 46.35,214.63 43.18,214.63 37.46,208.92 37.46,87.31 41.91,82.87 41.91,24.77 39.37,22.22 v1(39.37,14.61)
  Bottom w0.254: J4.33 20.95,215.9 22.23,214.63 26.03,214.63 27.3,215.9 J5.33 41.27,215.9 42.54,214.63 46.35,214.63 47.62,215.9 J6.33 53.34,215.9 54.61,214.63 61.6,214.63 62.87,215.9 U12.9 66.04,215.9 67.31,214.63 74.93,214.63 76.2,215.9 U11.9 ; IDE0.17 34.29,8.89 39.37,13.97 v1(39.37,14.61)
/ISA-IDE/ISA-D8: length 166.9
  Top w0.254: IDE0.4 53.34,6.35 53.34,9.53 52.71,10.16 52.71,81.92 55.24,84.46 55.24,100.97 J6.91
  Bottom w0.254: J4.91 20.95,106.68 22.23,105.41 26.03,105.41 27.3,106.68 J5.91 41.27,106.68 42.54,105.41 46.35,105.41 47.62,106.68 J6.91 53.34,102.87 59.69,102.87 63.5,99.06 U10.9
/ISA-IDE/ISA-D9: length 164.4
  Top w0.254: J6.92 54.61,99.06 54.61,85.09 52.07,82.55 52.07,10.16 50.8,8.89 50.8,6.35 IDE0.6
  Bottom w0.254: J4.92 20.95,104.14 22.23,102.87 26.03,102.87 27.3,104.14 J5.92 41.27,104.14 42.54,102.87 46.35,102.87 47.62,104.14 J6.92 53.34,100.33 59.69,100.33 63.5,96.52 U10.8
